# Altium PCB Copy of FPGA_Module.PcbDoc (part 1 of 3) (continued)
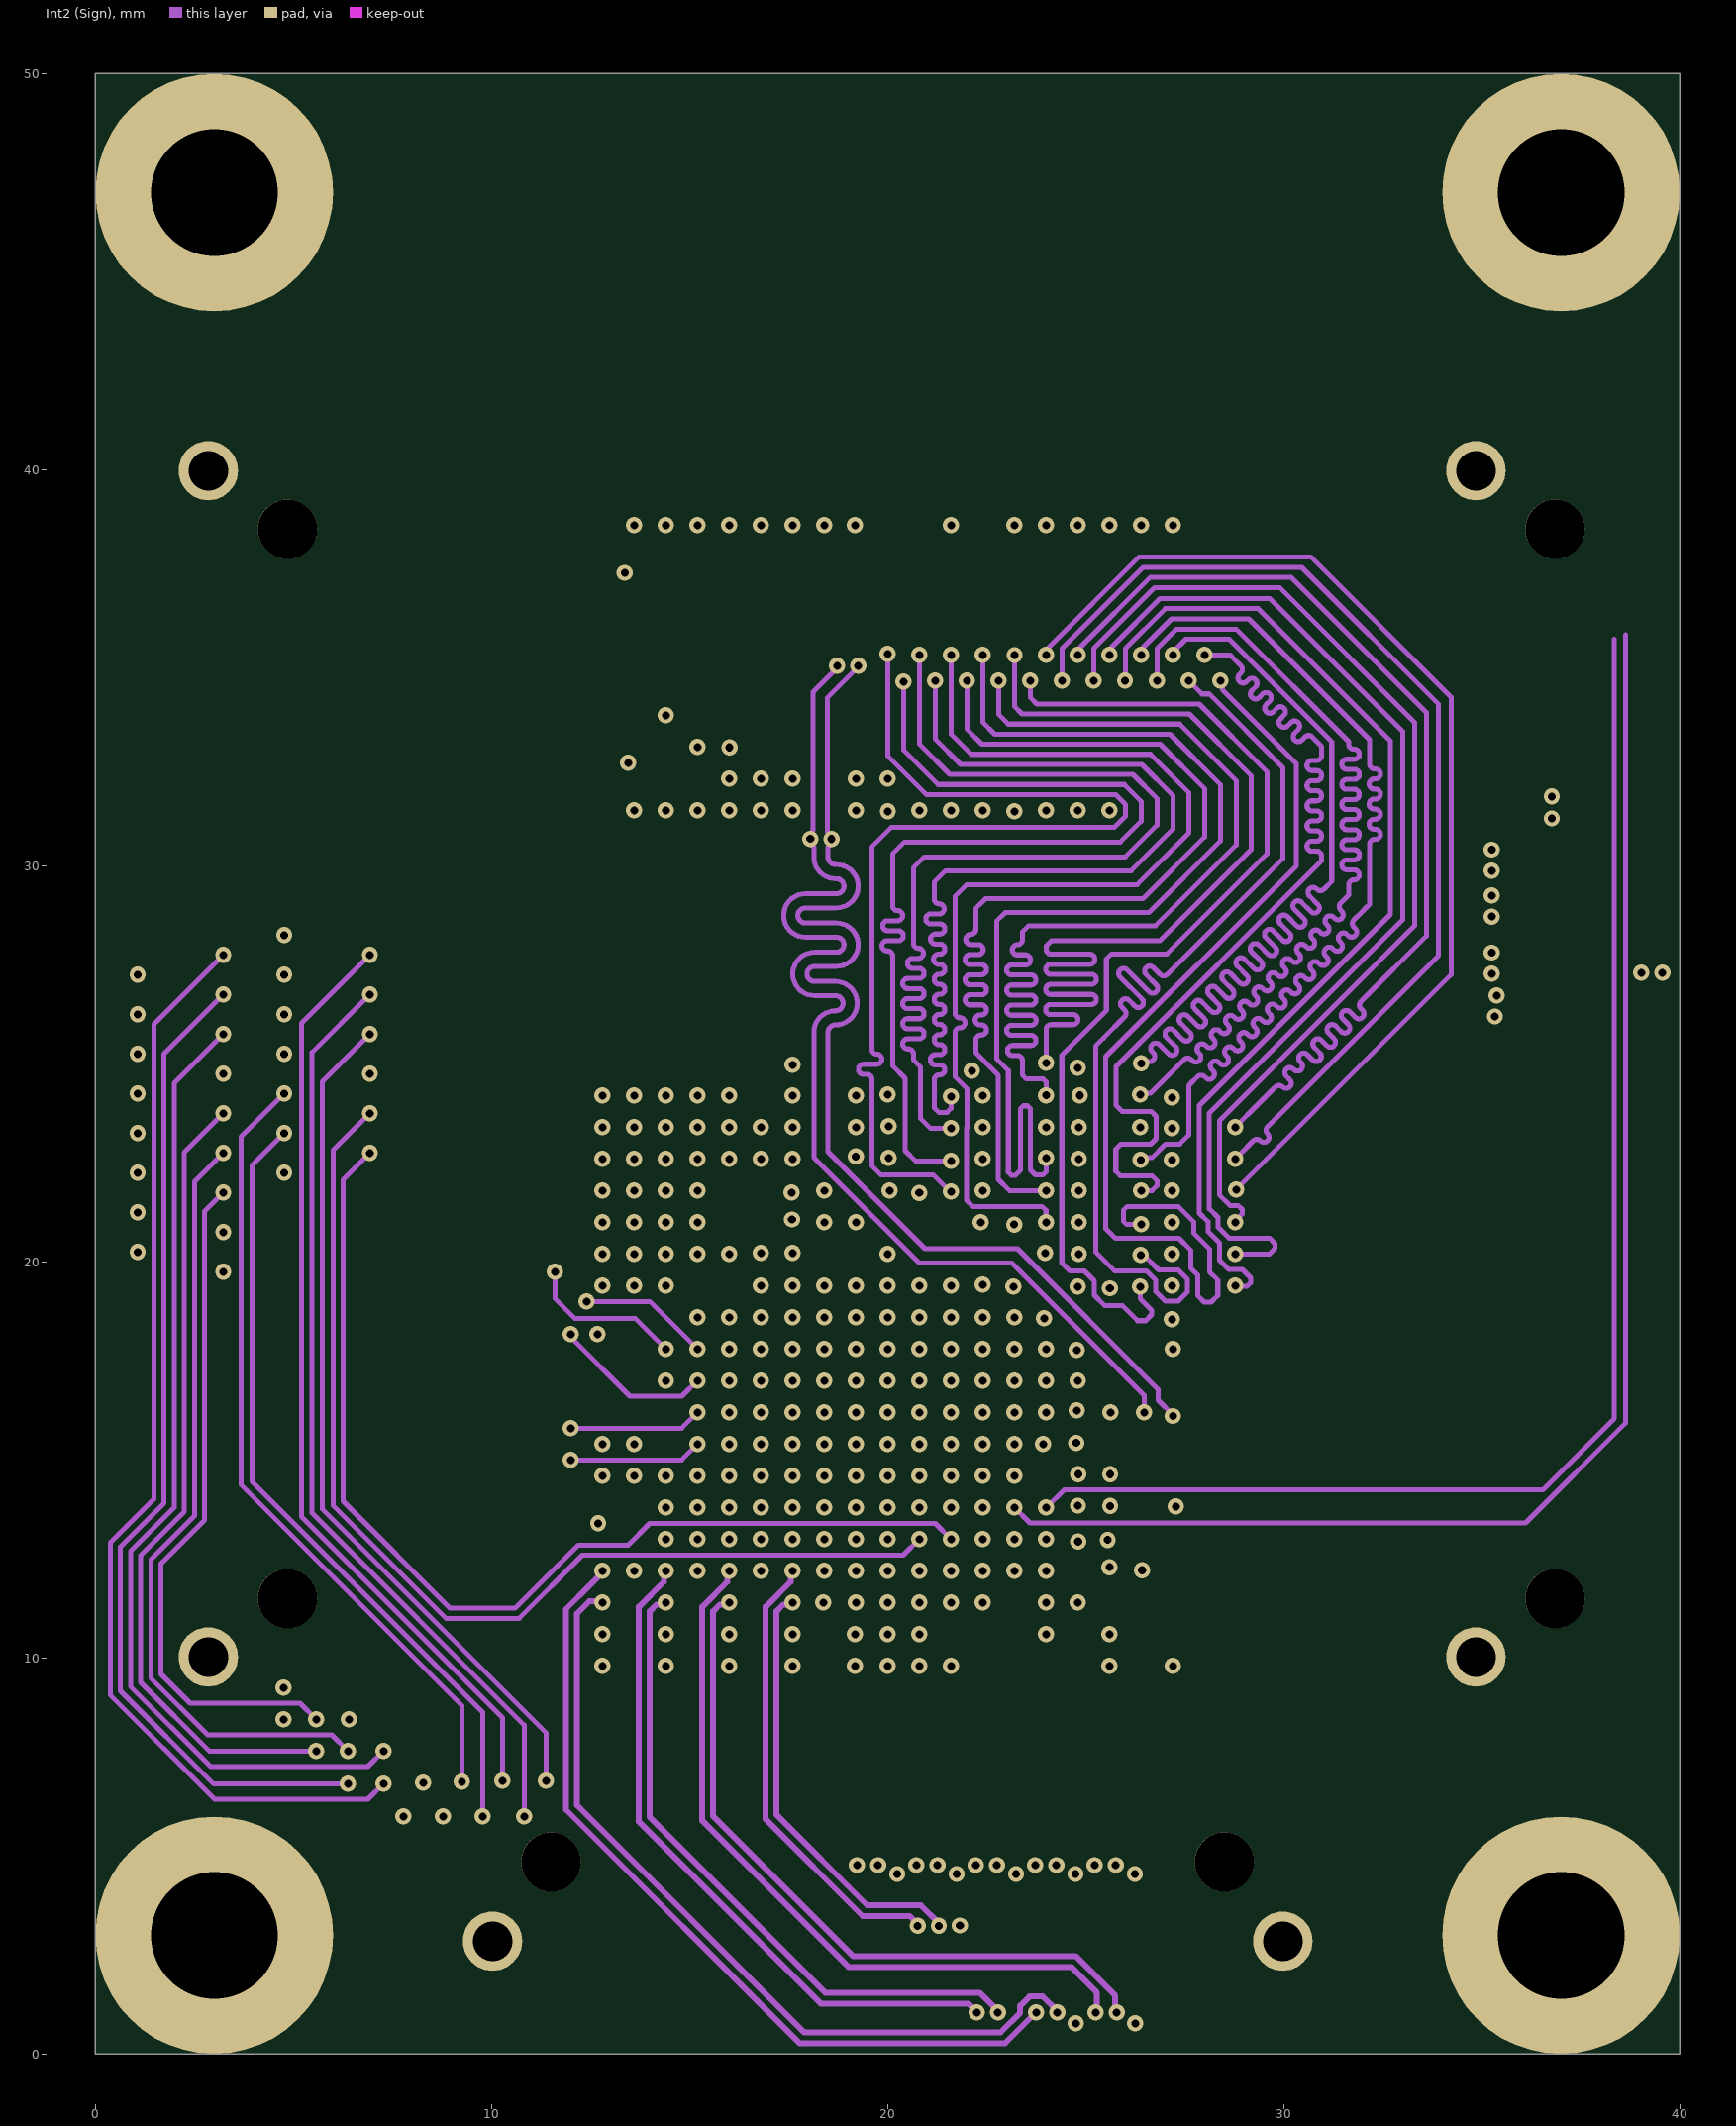
[diagram p3: Int2 (Sign)]
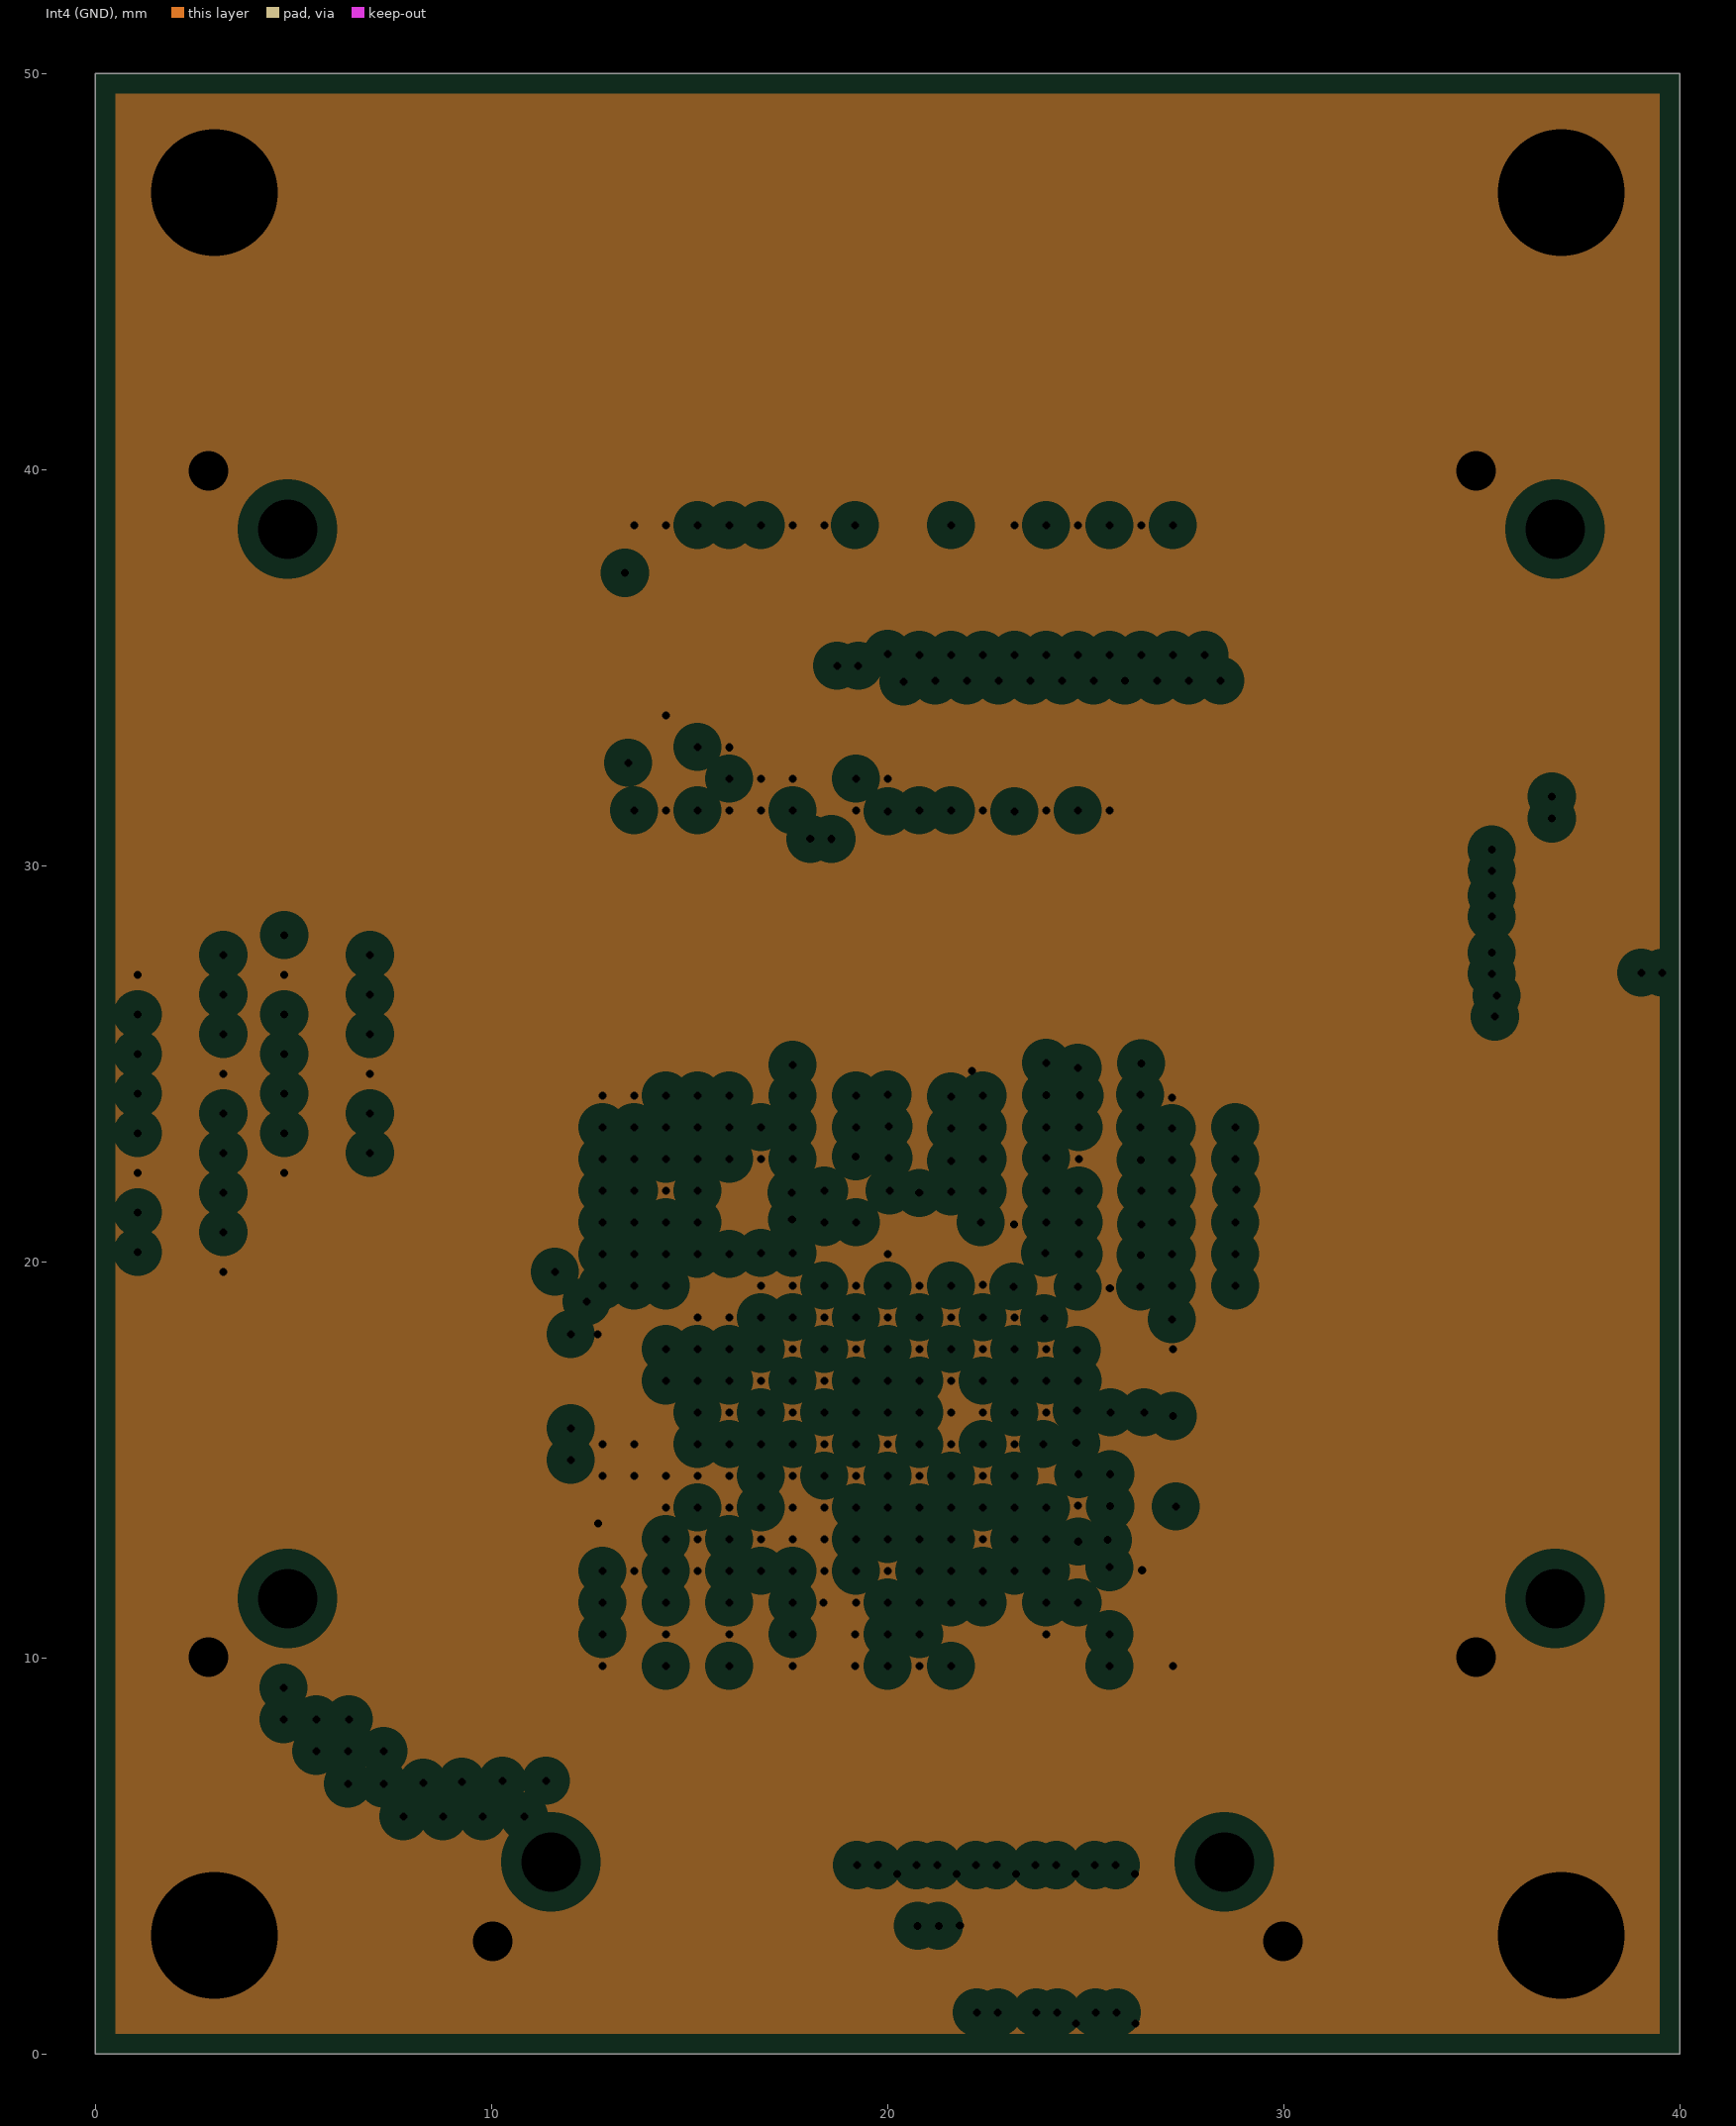
[diagram p4: Int4 (GND), clearances drawn from the general rule]

## Layer stack, top to bottom
Top Solder: solder mask 0.0254, SM-001, Dk 4
Top Layer: signal copper 0.035
Dielectric 1: prepreg 0.1107, PP-006, Dk 3.23
Int1 (GND): plane copper 0.0175, net GND
Dielectric 3: core 0.1016, Core-035, Dk 3.66
Int2 (Sign): signal copper 0.0175
Dielectric 5: core 0.9256, PP-006, Dk 3.66
Int3 (Sign): signal copper 0.0175
Dielectric 6: core 0.1016, Core-035, Dk 3.66
Int4 (GND): plane copper 0.0175, net GND
Dielectric 8: prepreg 0.1107, PP-006, Dk 3.23
Bottom Layer: signal copper 0.035
Bottom Solder: solder mask 0.0254, SM-001, Dk 4

## Board outline
0,0 40,0 40,50 0,50

## Design rules (kind name [scope] priority, off if disabled: settings)
Clearance Clearance_U7 [InComponent('U7') vs InComponent('U7')] p1: gap=0.127 ignorepadtopadclearanceinfootprint=FALSE except(0.1: SMDPad-SMDPad)
Clearance "Via to Pad" [IsVia vs IsPad] p2: gap=0.127 ignorepadtopadclearanceinfootprint=FALSE
Clearance [All] p3: gap=0.127 ignorepadtopadclearanceinfootprint=FALSE
DiffPairsRouting "DDR3 Diff" [InDifferentialPairClass('DQS0') OR InDifferentialPairClass('DQS1') OR InDifferentialPairClass('DQS2') OR InDifferentialPairClass('DQS3') OR InDifferentialPairClass('DDR3_CLK')] p1: maxlimit=0.23 minlimit=0.13 mostfreqgap=0.23 toplayer_maxgap=0.13 toplayer_prefgap=0.13 toplayer_minwidth=0.127 toplayer_maxwidth=0.127 toplayer_prefwidth=0.127 midlayer1_mingap=0.23 midlayer1_minwidth=0.127 midlayer1_maxwidth=0.127 midlayer1_prefwidth=0.127 midlayer2_mingap=0.23 midlayer2_minwidth=0.127 midlayer2_maxwidth=0.127 midlayer2_prefwidth=0.127 bottomlayer_maxgap=0.13 bottomlayer_prefgap=0.13 bottomlayer_minwidth=0.127 bottomlayer_maxwidth=0.127 bottomlayer_prefwidth=0.127 impedanceprofiledriven=TRUE impedanceprofileid={B4F66E8A-C9E1-4981-A60F-E06AC573C475} impedanceprofilevalue=100.000000 maxuncoupledlength=12.7
DiffPairsRouting PCIe [InDifferentialPairClass('PCIe')] p2: maxlimit=0.127 minlimit=0.127 mostfreqgap=0.127 toplayer_minwidth=0.191 toplayer_maxwidth=0.191 toplayer_prefwidth=0.191 midlayer1_minwidth=0.148 midlayer1_maxwidth=0.148 midlayer1_prefwidth=0.148 midlayer2_minwidth=0.148 midlayer2_maxwidth=0.148 midlayer2_prefwidth=0.148 bottomlayer_minwidth=0.191 bottomlayer_maxwidth=0.191 bottomlayer_prefwidth=0.191 impedanceprofiledriven=TRUE impedanceprofileid={6C64B6C6-15D8-4231-9645-6D0B78814DEC} impedanceprofilevalue=85.000000 maxuncoupledlength=12.7
DiffPairsRouting "ADC LVDS" [InDifferentialPairClass('ADC LVDS')] p3: maxlimit=0.23 minlimit=0.13 mostfreqgap=0.23 toplayer_maxgap=0.13 toplayer_prefgap=0.13 toplayer_minwidth=0.127 toplayer_maxwidth=0.127 toplayer_prefwidth=0.127 midlayer1_mingap=0.23 midlayer1_minwidth=0.127 midlayer1_maxwidth=0.127 midlayer1_prefwidth=0.127 midlayer2_mingap=0.23 midlayer2_minwidth=0.127 midlayer2_maxwidth=0.127 midlayer2_prefwidth=0.127 bottomlayer_maxgap=0.13 bottomlayer_prefgap=0.13 bottomlayer_minwidth=0.127 bottomlayer_maxwidth=0.127 bottomlayer_prefwidth=0.127 impedanceprofiledriven=TRUE impedanceprofileid={B4F66E8A-C9E1-4981-A60F-E06AC573C475} impedanceprofilevalue=100.000000 maxuncoupledlength=12.7
MatchedLengths MatchedLengths_DDR3_ADDR_CTRL [InNetClass('DDR3 ADDR')] p1: tolerance=25.4 checknetsindiffpair=FALSE checkdiffpairvsdiffpair=TRUE checkxsignals=TRUE checkothers=TRUE usedelayunits=TRUE delaytolerance=5.000000
MatchedLengths MatchedLengths_DDR3_DQ0 [InDifferentialPairClass('DQS0') or InNetClass('DQ0')] p2: tolerance=25.4 checknetsindiffpair=FALSE checkdiffpairvsdiffpair=TRUE checkxsignals=TRUE checkothers=TRUE usedelayunits=TRUE delaytolerance=5.000000
MatchedLengths MatchedLengths_DDR3_DQ1 [InDifferentialPairClass('DQS1') or InNetClass('DQ1')] p3: tolerance=25.4 checknetsindiffpair=FALSE checkdiffpairvsdiffpair=TRUE checkxsignals=TRUE checkothers=TRUE usedelayunits=TRUE delaytolerance=5.000000
MatchedLengths MatchedLengths_DDR3_DQ2 [InDifferentialPairClass('DQS2') or InNetClass('DQ2')] p4: tolerance=25.4 checknetsindiffpair=FALSE checkdiffpairvsdiffpair=TRUE checkxsignals=TRUE checkothers=TRUE usedelayunits=TRUE delaytolerance=5.000000
MatchedLengths MatchedLengths_DDR3_DQ3 [InDifferentialPairClass('DQS3') or InNetClass('DQ3')] p5: tolerance=25.4 checknetsindiffpair=FALSE checkdiffpairvsdiffpair=TRUE checkxsignals=TRUE checkothers=TRUE usedelayunits=TRUE delaytolerance=5.000000
MatchedLengths MatchedLengths_ADC_Groups [InDifferentialPairClass('ADC LVDS')] p6: tolerance=25.4 checknetsindiffpair=FALSE checkdiffpairvsdiffpair=TRUE checkxsignals=TRUE checkothers=TRUE usedelayunits=TRUE delaytolerance=5.000000
MatchedLengths MatchedLengths_ADC_Pairs [InDifferentialPairClass('ADC LVDS')] p7: tolerance=25.4 checknetsindiffpair=TRUE checkdiffpairvsdiffpair=FALSE checkxsignals=FALSE checkothers=FALSE usedelayunits=TRUE delaytolerance=2.000000
MatchedLengths MatchedLengths_DDR3_Pairs [InDifferentialPairClass('DDR3_CLK') or InDifferentialPairClass('DQS0') or InDifferentialPairClass('DQS1') or InDifferentialPairClass('DQS2') or InDifferentialPairClass('DQS3')] p8: tolerance=25.4 checknetsindiffpair=TRUE checkdiffpairvsdiffpair=FALSE checkxsignals=FALSE checkothers=FALSE usedelayunits=TRUE delaytolerance=2.000000
PlaneClearance [All] p1: clearance=0.508
PlaneConnect [All] p1: planeconnectstyle=Relief reliefexpansion=0.508 reliefentries=4 reliefconductorwidth=0.254 reliefairgap=0.254
PolygonConnect [All] p1: connectstyle=Relief reliefconductorwidth=0.254 reliefentries=4 polygonreliefangle="90 Angle" airgapwidth=0.254
RoutingVias [All] p1: holewidth=0.203 width=0.406 viastyle="Through Hole" minholewidth=0.203 minwidth=0.406 maxholewidth=0.203 maxwidth=0.406
SolderMaskExpansion [All] p1: expansion=0.102 istentingtop=FALSE
ViasUnderSMD [All] p1: allowed=FALSE
Width 50Z [(InNetClass('DDR3 ADDR')) OR (InNetClass('DQ0')) OR (InNetClass('DQ1')) OR (InNetClass('DQ2')) OR (InNetClass('DQ3'))] p1: maxlimit=0.213 minlimit=0.127 preferedwidth=0.127 midlayer1_maxwidth=0.156 midlayer2_maxwidth=0.156 impedanceprofiledriven=TRUE impedanceprofileid={CE169E51-C4CD-48BA-8376-F91FDF30A816} impedanceprofilevalue=50.000000 minimp=50.000000 maximp=50.000000 favimp=50.000000
Width [All] p2: maxlimit=1 minlimit=0.127 preferedwidth=0.254
27 further rules are at their usual default settings.

## Classes and differential pairs
differential pair class DDR3_CLK: DDR3_CLK
differential pair class DQS3: DDR3_DQS3
differential pair class DQS2: DDR3_DQS2
differential pair class DQS1: DDR3_DQS1
differential pair class DQS0: DDR3_DQS0
net class DQ3: DDR3_D24 DDR3_D25 DDR3_D26 DDR3_D27 DDR3_D28 DDR3_D29 DDR3_D30 DDR3_D31 DDR3_DM3
net class DQ2: DDR3_D16 DDR3_D17 DDR3_D18 DDR3_D19 DDR3_D20 DDR3_D21 DDR3_D22 DDR3_D23 DDR3_DM2
net class DQ1: DDR3_D8 DDR3_D9 DDR3_D10 DDR3_D11 DDR3_D12 DDR3_D13 DDR3_D14 DDR3_D15 DDR3_DM1
net class DQ0: DDR3_D0 DDR3_D1 DDR3_D2 DDR3_D3 DDR3_D4 DDR3_D5 DDR3_D6 DDR3_D7 DDR3_DM0
net class "DDR3 ADDR": DDR3_A0_T DDR3_A1_T DDR3_A2_T DDR3_A3_T DDR3_A4_T DDR3_A5_T DDR3_A6_T DDR3_A7_T DDR3_A8_T DDR3_A9_T DDR3_A10_T DDR3_A11_T DDR3_A12_T DDR3_BA0_T DDR3_BA1_T DDR3_BA2_T DDR3_CAS_T DDR3_CKE_T DDR3_ODT_T DDR3_RAS_T DDR3_S0_T DDR3_WE_T
differential pair class "ADC LVDS": D1A D1B D2A D2B D3A D3B D4A D4B FCLK LCLK
differential pair class PCIe: MGT_CLK1 MGT_RX0 MGT_RX1 MGT_RX2 MGT_RX3 MGT_TX0 MGT_TX1 MGT_TX2 MGT_TX3
component class PWR: C71 C72 C73 C74 C75 C76 C77 C78 C79 C80 C81 C82 C83 C84 C85 C86 C87 R44 R45 R46 R47 R48 R49 R50 R51 R52 R53 R54 R55 R56 R57 TP2 U6 U7 U8 U9
component class FPGA_PWR: C29 C30 C31 C32 C33 C34 C35 C36 C37 C38 C39 C40 C41 C42 C43 C44 C45 C46 C47 C48 C49 C50 C51 C52 C53 C54 C55 C56 C57 C58 C59 C60 C61 C62 C63 C64 C65 C66 C67 C68 C69 C70 FB1 FB3
component class FPGA_MGT: R11
component class FPGA_CFG: C1 C2 C3 FB2 Q1 R12 R13 R14 R15 TP1 U2 U3
component class FPGA_Banks_DDR3: U1
component class FPGA_Bank_IO: R1 R2 R3 R4 R5 R6 R7 R8 R9 R10
component class DDR3L: C4 C5 C6 C7 C8 C9 C10 C11 C12 C13 C14 C15 C16 C17 C18 C19 C20 C21 C22 C23 C24 C25 C26 C27 C28 R16 R17 R18 R19 R20 R21 R22 R23 R24 R25 R26 R27 R28 R29 R30 R31 R32 R33 R34 R35 R36 R37 R38 R39 R40 R41 R42 R43 U4 U5
component class Connectors: JM1 JM2 JM3 MH1 MH2 MH3 MH4
differential pair DDR3_CLK: +DDR3_CLK_P -DDR3_CLK_N
differential pair DDR3_DQS3: +DDR3_DQS3_P -DDR3_DQS3_N
differential pair DDR3_DQS2: +DDR3_DQS2_P -DDR3_DQS2_N
differential pair DDR3_DQS1: +DDR3_DQS1_P -DDR3_DQS1_N
differential pair DDR3_DQS0: +DDR3_DQS0_P -DDR3_DQS0_N
differential pair LCLK: +LCLK_P -LCLK_N
differential pair FCLK: +FCLK_P -FCLK_N
differential pair D4B: +D4B_P -D4B_N
differential pair D4A: +D4A_P -D4A_N
differential pair D3B: +D3B_P -D3B_N
differential pair D3A: +D3A_P -D3A_N
differential pair D2B: +D2B_P -D2B_N
differential pair D2A: +D2A_P -D2A_N
differential pair D1B: +D1B_P -D1B_N
differential pair D1A: +D1A_P -D1A_N
differential pair MGT_TX3: +MGT_TX3_P -MGT_TX3_N
differential pair MGT_TX2: +MGT_TX2_P -MGT_TX2_N
differential pair MGT_TX1: +MGT_TX1_P -MGT_TX1_N
differential pair MGT_TX0: +MGT_TX0_P -MGT_TX0_N
differential pair MGT_RX3: +MGT_RX3_P -MGT_RX3_N
differential pair MGT_RX2: +MGT_RX2_P -MGT_RX2_N
differential pair MGT_RX1: +MGT_RX1_P -MGT_RX1_N
differential pair MGT_RX0: +MGT_RX0_P -MGT_RX0_N
differential pair MGT_CLK1: +MGT_CLK1_P -MGT_CLK1_N

## Components (designator, comment, footprint, x,y, rotation, side; value= is the part's Value field where it differs from the comment)
C1 "100nF" GEN_C_0402 57.248,68.25 r0 top
C2 "100nF" GEN_C_0402 61.049,68.25 r0 top
C3 "100nF" GEN_C_0402 52.923,68.25 r0 top
C4 "10nF" GEN_C_0402 102.242,59.326 r0 top
C5 "10nF" GEN_C_0402 97.917,59.326 r0 top
C6 "4.7uF" GEN_C_0402 75.066,59.326 r0 top
C7 "470nF" GEN_C_0402 79.391,59.326 r0 top
C8 "470nF" GEN_C_0402 83.692,59.326 r0 top
C9 "470nF" GEN_C_0402 88.017,59.326 r0 top
C10 "470nF" GEN_C_0402 91.867,58.876 r90 top
C11 "4.7uF" GEN_C_0402 47.165,58.876 r90 top
C12 "470nF" GEN_C_0402 52.24,58.876 r90 top
C13 "470nF" GEN_C_0402 57.84,58.876 r90 top
C14 "470nF" GEN_C_0402 63.416,58.876 r90 top
C15 "470nF" GEN_C_0402 69.016,58.876 r90 top
C16 "10nF" GEN_C_0402 69.715,50.251 r90 top
C17 "10nF" GEN_C_0402 58.539,50.251 r90 top
C18 "4.7uF" GEN_C_0402 66.849,50.24 r90 top
C19 "470nF" GEN_C_0402 72.449,50.24 r90 top
C20 "470nF" GEN_C_0402 78.049,50.24 r90 top
C21 "470nF" GEN_C_0402 83.875,50.24 r90 top
C22 "470nF" GEN_C_0402 89.225,50.24 r90 top
C23 "4.7uF" GEN_C_0402 98.549,50.165 r90 top
C24 "470nF" GEN_C_0402 104.374,50.165 r90 top
C25 "470nF" GEN_C_0402 110.225,50.165 r90 top
C26 "470nF" GEN_C_0402 116.075,50.165 r90 top
C27 "470nF" GEN_C_0402 109.336,58.876 r90 top
C28 "4.7uF" GEN_C_0402 104.356,63.051 r90 top
C29 "47uF" GEN_C_0805 50.775,20.575 r90 top
C30 "4.7uF" GEN_C_0402 52.975,19.725 r90 top
C31 "4.7uF" GEN_C_0402 58.712,19.801 r90 top
C32 "470nF" GEN_C_0402 64.038,19.801 r90 top
C33 "470nF" GEN_C_0402 69.888,19.801 r90 top
C34 "470nF" GEN_C_0402 75.738,19.801 r90 top
C35 "470nF" GEN_C_0402 81.589,19.801 r90 top
C36 "470nF" GEN_C_0402 52.9,25 r90 top
C37 "470nF" GEN_C_0402 58.614,25.051 r90 top
C38 "470nF" GEN_C_0402 64.464,25.051 r90 top
C39 "470nF" GEN_C_0402 70.315,25.051 r90 top
C40 "4.7uF" GEN_C_0402 76.165,25.051 r90 top
C41 "4.7uF" GEN_C_0402 82.015,25.051 r90 top
C42 "47uF" GEN_C_0805 47.535,29.226 r90 top
C43 "4.7uF" GEN_C_0402 52.935,30.076 r90 top
C44 "4.7uF" GEN_C_0402 58.785,30.076 r90 top
C45 "470nF" GEN_C_0402 64.611,30.076 r90 top
C46 "470nF" GEN_C_0402 70.461,30.076 r90 top
C47 "470nF" GEN_C_0402 76.311,30.076 r90 top
C48 "470nF" GEN_C_0402 82.162,30.076 r90 top
C49 "47uF" GEN_C_0805 48.2,41.15 r90 top
C50 "47uF" GEN_C_0805 52.373,36.015 r90 top
C51 "470nF" GEN_C_0402 57.749,36.865 r90 top
C52 "470nF" GEN_C_0402 63.099,36.865 r90 top
C53 "470nF" GEN_C_0402 68.949,36.865 r90 top
C54 "470nF" GEN_C_0402 74.774,36.865 r90 top
C55 "4.7uF" GEN_C_0402 80.625,36.865 r90 top
C56 "4.7uF" GEN_C_0402 86.475,36.865 r90 top
C57 "100uF" GEN_C_1210 47.65,35.275 r90 top
C58 "47uF" GEN_C_0805 52.431,41.176 r90 top
C59 "4.7uF" GEN_C_0402 57.806,42.026 r90 top
C60 "4.7uF" GEN_C_0402 63.656,42.026 r90 top
C61 "470nF" GEN_C_0402 69.506,42.026 r90 top
C62 "470nF" GEN_C_0402 74.832,42.026 r90 top
C63 "470nF" GEN_C_0402 80.682,42.026 r90 top
C64 "470nF" GEN_C_0402 88.28,46.201 r90 top
C65 "4.7uF" GEN_C_0402 73.675,46.225 r90 top
C66 "100nF" GEN_C_0402 70.729,46.201 r90 top
C67 "100nF" GEN_C_0402 76.58,46.201 r90 top
C68 "100nF" GEN_C_0402 47.353,46.201 r90 top
C69 "100nF" GEN_C_0402 53.204,46.201 r90 top
C70 "4.7uF" GEN_C_0402 59.054,46.201 r90 top
C71 "47uF" GEN_C_0805 20.648,47.575 r270 top
C72 "100nF" GEN_C_0402 19.148,46.675 r270 top
C73 "39pF" GEN_C_0402 12.888,43.175 r0 top
C74 "100nF" GEN_C_0402 10.648,48.275 r0 top
C75 "47uF" GEN_C_0805 9.848,46.775 r0 top
C76 "47uF" GEN_C_0805 9.848,44.875 r0 top
C77 "4.7uF" GEN_C_0402 35.295,8.149 r135 top
C78 "100nF" GEN_C_0402 30.852,7.67 r225 top
C79 "10uF" GEN_C_0603 28.375,48.325 r0 top
C80 "10uF" GEN_C_0603 28.375,43.225 r0 top
C81 "1.2pF" GEN_C_0402 124.757,31.201 r90 top
C82 "47uF" GEN_C_0805 25.075,43.95 r90 top
C83 "10uF" GEN_C_0603 8.753,12.39 r225 top
C84 "100nF" GEN_C_0402 6.49,13.981 r225 top
C85 "4.7uF" GEN_C_0402 8.24,14.281 r135 top
C86 "1.2pF" GEN_C_0402 107.004,36.726 r90 top
C87 "47uF" GEN_C_0805 25.075,47.6 r270 top
FB1 "120@100MHZ" GEN_R_0402 94.67,67.723 r270 top
FB2 "120@100MHZ" GEN_R_0402 46.573,67.825 r90 top
FB3 "120@100MHZ" GEN_R_0402 82.38,46.251 r90 top
JM1 "LSHM-150-04.0-L-DV-A-S-K-TR" SAM_LSHM-150-XX.X-XX-DV-A-S 36,25 r270 bottom locked
JM2 "LSHM-150-04.0-L-DV-A-S-K-TR" SAM_LSHM-150-XX.X-XX-DV-A-S 4,25 r270 bottom locked
JM3 "LSHM-130-04.0-L-DV-A-S-K-TR" SAM_LSHM-130-XX.X-XX-DV-A-S 20,4 r0 bottom locked
MH1 "M3" "MH M3" 3,47 r0 top
MH2 "M3" "MH M3" 37,47 r0 top
MH3 "M3" "MH M3" 3,3 r0 top
MH4 "M3" "MH M3" 37,3 r0 top
Q1 "DMN62D0UW" GEN_SOT_323 33.7,57.15 r0 top
R1 "100" GEN_R_0201 28.35,14.25 r90 top
R2 "100" GEN_R_0201 25.225,15.4 r90 bottom
R3 "100" GEN_R_0201 24.815,13.39 r180 bottom
R4 "100" GEN_R_0201 26.15,14.425 r90 bottom
R5 "100" GEN_R_0201 28.35,15.65 r90 top
R6 "100" GEN_R_0201 28.35,12.85 r90 top
R7 "100" GEN_R_0201 26.15,13.025 r90 bottom
R8 "100" GEN_R_0201 28.35,11.45 r90 top
R9 "100" GEN_R_0201 26.3,8.65 r0 top
R10 "100" GEN_R_0201 24.9,8.65 r0 top
R11 "100" GEN_R_0402 10.238,11.541 r135 top
R12 "4.7K" GEN_R_0402 85.2,67.825 r90 top
R13 "4.7K" GEN_R_0402 90.775,67.825 r90 top
R14 "4.7K" GEN_R_0402 75.799,67.825 r90 top
R15 "4.7K" GEN_R_0402 64.874,67.825 r90 top
R16 "4.7K" GEN_R_0402 27.95,39.1 r90 top
R17 "240" GEN_R_0402 47.313,50.301 r90 top
R18 "240" GEN_R_0402 52.889,50.301 r90 top
R19 "33" GEN_R_0201 20.798,22.189 r0 bottom
R20 "33" GEN_R_0201 25.6,20.6 r0 bottom
R21 "33" GEN_R_0201 25.6,22.2 r0 bottom
R22 "33" GEN_R_0201 25.6,24.6 r0 bottom
R23 "33" GEN_R_0201 25.6,23 r0 bottom
R24 "33" GEN_R_0201 25.6,21.4 r0 bottom
R25 "33" GEN_R_0201 23.175,23 r0 bottom
R26 "33" GEN_R_0201 23.175,22.2 r0 bottom
R27 "1K" GEN_R_0402 75.098,50.215 r90 top
R28 "33" GEN_R_0201 23.175,21.4 r0 bottom
R29 "33" GEN_R_0201 23.175,23.8 r0 bottom
R30 "33" GEN_R_0201 28.025,19 r0 bottom
R31 "82" GEN_R_0402 18.325,30.05 r180 top
R32 "33" GEN_R_0201 23.175,24.6 r0 bottom
R33 "33" GEN_R_0201 25.6,23.8 r0 bottom
R34 "33" GEN_R_0201 20.798,24.589 r0 bottom
R35 "1K" GEN_R_0402 98.456,63.101 r90 top
R36 "33" GEN_R_0201 20.798,22.989 r0 bottom
R37 "33" GEN_R_0201 20.798,23.789 r0 bottom
R38 "33" GEN_R_0201 28.025,21.4 r0 bottom
R39 "33" GEN_R_0201 28.025,19.8 r0 bottom
R40 "33" GEN_R_0201 28.025,22.2 r0 bottom
R41 "33" GEN_R_0201 25.575,19.8 r0 bottom
R42 "33" GEN_R_0201 28.025,20.6 r0 bottom
R43 "33" GEN_R_0201 28.025,23 r0 bottom
R44 "100k" GEN_R_0402 19.548,45.275 r180 top
R45 "100k" GEN_R_0402 19.548,44.375 r0 top
R46 "20k" GEN_R_0402 14.748,43.175 r180 top
R47 "30k" GEN_R_0402 16.548,43.175 r180 top
R48 "100k" GEN_R_0402 113.031,31.251 r90 top
R49 "169K" GEN_R_0402 118.882,31.251 r90 top
R50 "100k" GEN_R_0402 124.505,36.776 r90 top
R51 "261K" GEN_R_0402 101.629,36.776 r90 top
R52 "100k" GEN_R_0402 95.778,36.776 r90 top
R53 "0.01" GEN_R_0603 9.998,43.175 r180 top
R54 "0.01" GEN_R_0603 30.175,5.55 r135 top
R55 "0.01" GEN_R_0603 23.325,44.25 r270 top
R56 "0.01" GEN_R_0603 9.813,10.269 r315 top
R57 "0.01" GEN_R_0603 23.325,47.3 r90 top
TP1 "PCB" GEN_TP_PCB 70.699,68.05 r90 top
TP2 "PCB" GEN_TP_PCB 30.85,43.125 r90 top
U1 "XC7A35T-2CSG325C" CSG325 20,17 r90 top locked
U2 "MX25U6432FZNI02" MX_WSON8 38.5,55.75 r180 top
U3 "TXB0104RUTR" TI_UQFN_RUT0012A 33.6,54.35 r0 top
U4 "MT41K64M16JT-15E" MICT-JT-96 20,35 r90 top
U5 "MT41K64M16JT-15E" MICT-JT-96 20,35 r270 bottom
U6 "SIP32508" VISH_TSOT6 33.103,6.664 r45 top
U7 "LD57100J120R" ST_FlipChip6 7.391,13.009 r135 top